# Altium PCB top_LM_v2.PcbDoc (part 4 of 5)
Units mil, origin at the board's own origin, x right, y up, seen from the top; angles counter-clockwise.
Board outline 13413.03 x 6200.01 mil, 2 copper layers (Top Layer, Bottom Layer); 718 components, 600 nets, 1834 pads, 540 vias.
Unrouted connection lines stored in the file: 144.
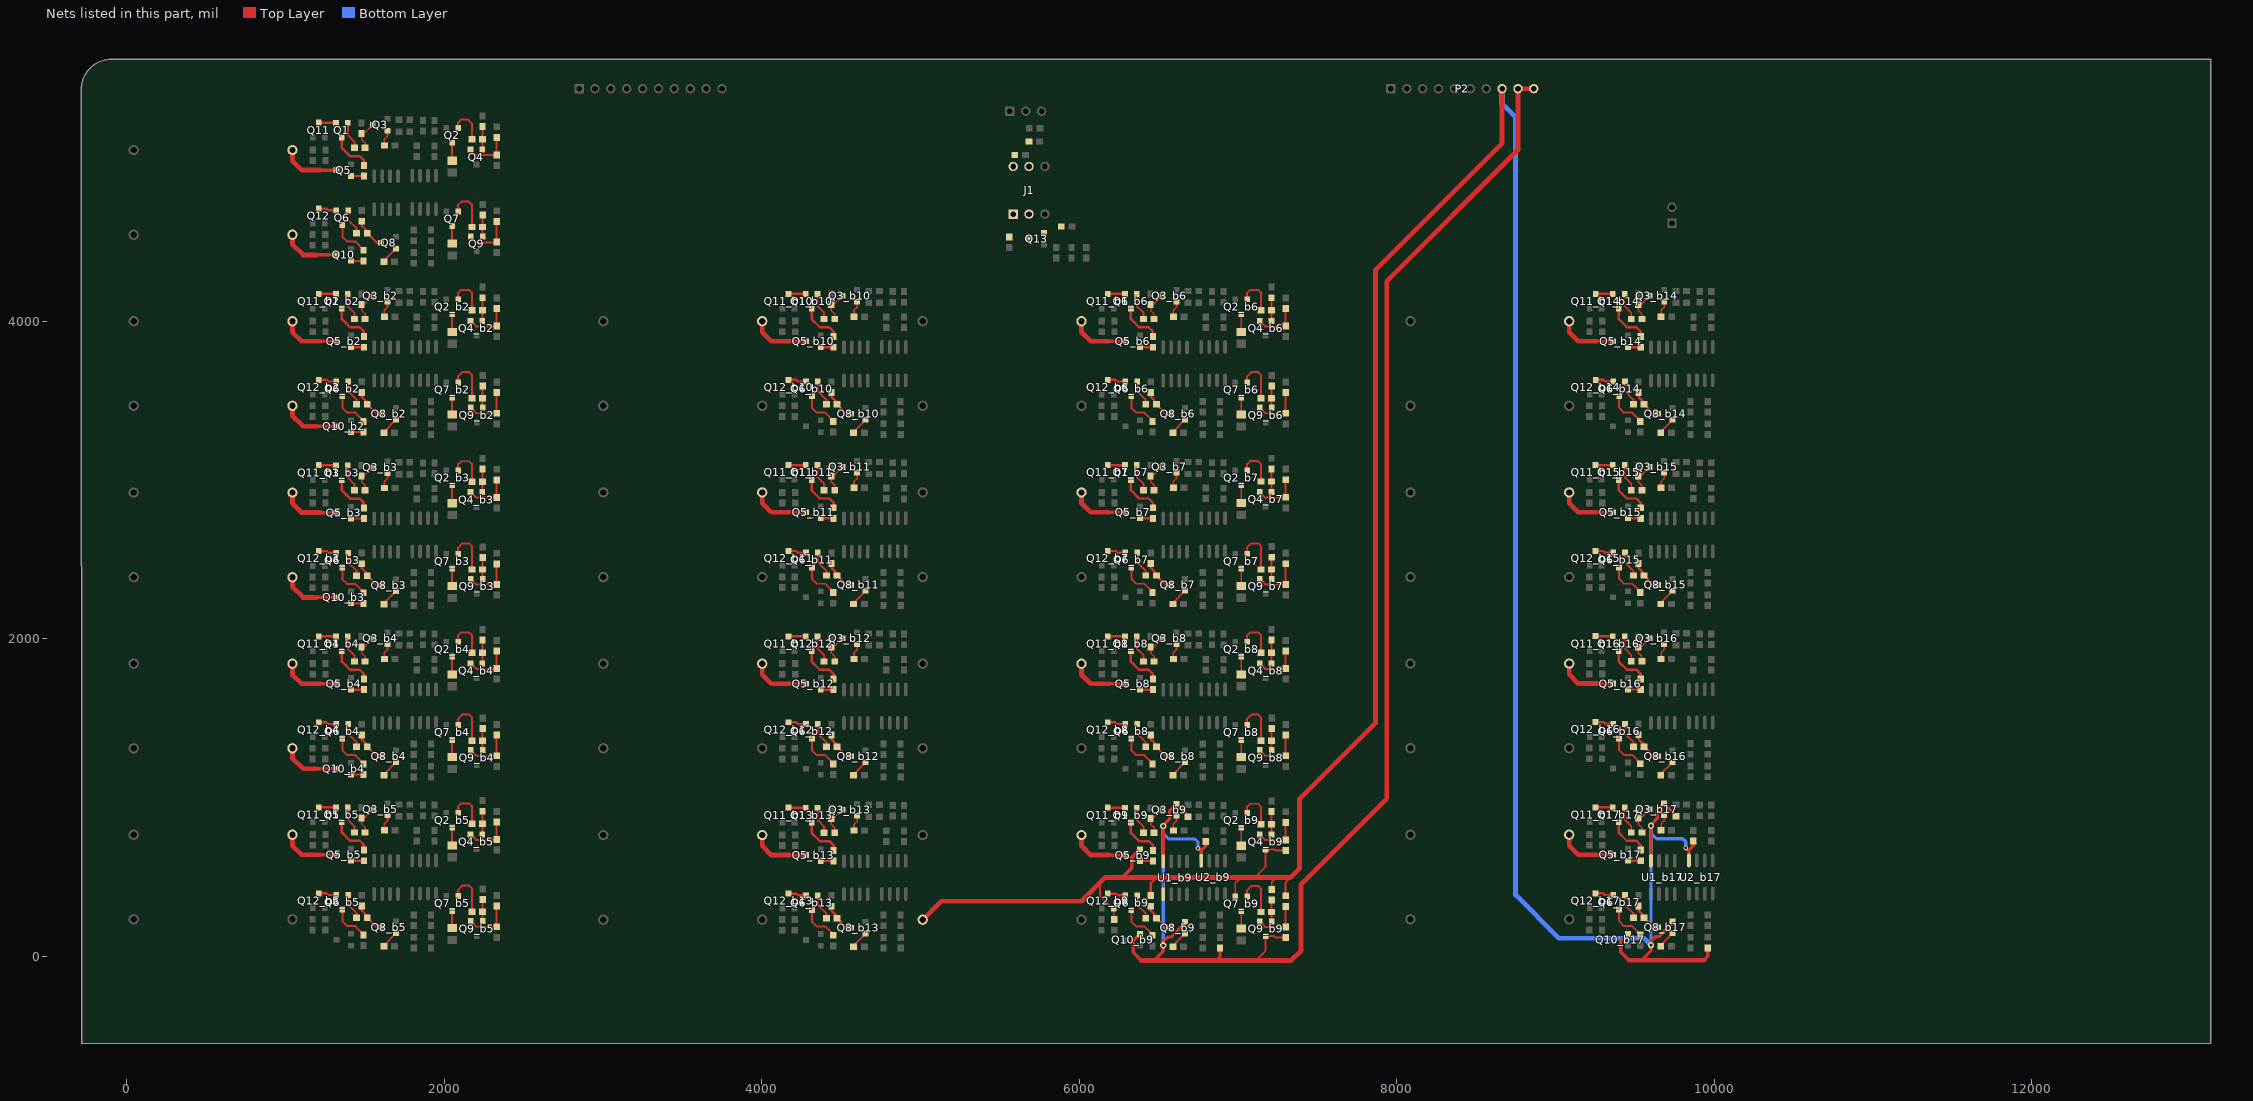
[diagram p4: the nets of this part, all layers, seen from the top]

## Via types
v1: diameter 20, hole 10, Top Layer to Bottom Layer, 453 vias
v2: diameter 40, hole 20, Top Layer to Bottom Layer, 51 vias
v3: diameter 30, hole 15, Top Layer to Bottom Layer, 34 vias
v4: diameter 125.98, hole 125.98, Top Layer to Bottom Layer, 2 vias

## Nets (pads, with @x,y where several pads share a name; then routed paths per layer and width w, separated by ;. In a path a pad name is that pad's centre, name@x,y a point inside that pad or via, vN(x,y) a via of type N, cw(c..) or ccw(c..) an arc to the next point about the centre after c; other vN are vias at no path point) (continued)
IN_B8: P2.8 Q3_b17.2 Q4_b9.3 Q5_b9.2 Q7_b9.2 Q8_b17.2 Q10_b17.2 Q12_b9.2 R12_b17.1 R13_b9.1 R14_b9.2 R19_b9.2 R20_b9.2 R21_b9.2 R42_b9.1 R44_b17.2 R48_b17.2 U1_b9.5 U1_b17.4 U2_b17.4 | length 18270.2
  Top Layer w12: 6130.25,461.04 6130.25,381.26 6209.51,302 Q12_b9.2@6217.65,302 6217.65,233.32 R42_b9.1@6220.25,230.72 ; U1_b9.5@6529.25,389.77 6529.25,474.54 6551.25,496.54 ; Q7_b9.2@6982.72,376.8 6982.72,460.13 7019.12,496.54 ; 7107.12,496.54 7173.12,562.54 Q4_b9.3@7173.12,673.28 7231.38,673.28 7238.58,666.07 R13_b9.1@7300.12,666.07 ; R20_b9.2@7212.25,421.46 7212.25,466.79 7242,496.54 ; R21_b9.2@7300.12,381 7300.12,465.54 7331.12,496.54
  Top Layer w15: R19_b9.2@6451.12,382 6451.12,461.54 6486.12,496.54 6490.12,496.54
  Top Layer w20: 9544.61,-21.93 9600.75,34.2 v2(9600.75,70.26) 9600.75,95.26 9627.75,122.26 9649.19,122.26 9737.01,210.08 Q8_b17.2@9737.01,219.66 ; 9564.61,-25.46 9565.54,-24.54 ; U1_b17.4@9600.75,600.75 v2(9600.75,822.26) 9600.75,828.26 9640.75,868.26 9640.75,919.4 Q3_b17.2@9684.01,962.66 9684.01,959.91 9757.28,886.64 R12_b17.1@9757.28,881.26 ; v3(9819.75,682.26) 9833.75,668.26 9839.75,668.26 ; U2_b17.4@9839.75,603.02 9839.75,668.26 ; R48_b17.2@9867.75,725.8 9867.75,696.26 9839.75,668.26 ; 9934.75,-24.54 9958.75,-0.54 R44_b17.2@9958.75,52.8
  Top Layer w22: 6272.12,496.54 6332.12,556.54 6332.12,623.68 Q5_b9.2@6383.38,674.94 ; Q10_b17.2@9454.87,141.94 9411.61,98.68 9411.61,26.54 9462.69,-24.54
  Top Layer w30: R14_b9.2@5014.25,230.26 5130.53,346.54 6014.25,346.54 6164.25,496.54 6272.12,496.54 6486.12,496.54 ; 6490.12,496.54 6551.25,496.54 7019.12,496.54 7107.12,496.54 7242,496.54 7331.12,496.54 7388,553.42 7388,992 7866.47,1470.47 7866.47,4322.53 8663,5119.05 P2.8@8663,5464 ; 9462.69,-24.54 9565.54,-24.54 9934.75,-24.54
  Bottom Layer w20: v2(9600.75,70.26) 9600.75,775.26 ; v2(9600.75,822.26) 9600.75,775.26 ; v3(9819.75,682.26) 9819.75,721.26 9800.75,740.26 9635.75,740.26 9600.75,775.26
  Bottom Layer w30: P2.8@8663,5464 8663,5368 8748,5283 8748,386 9021,113 9558.01,113 v2(9600.75,70.26)
IN_C8: P2.9 P2.10 Q3_b9.2 Q8_b9.2 Q9_b9.3 Q10_b9.2 Q13.2 R12_b9.1 R24_b9.1 R28.1 R44_b9.2 R48_b9.2 U1_b9.4 U2_b9.4 | length 9762.4
  Top Layer w12: 7114.5,-26.54 7174.12,33.08 Q9_b9.3@7174.12,126.28 7226.86,126.28 7236.06,117.07 R24_b9.1@7300.12,117.07
  Top Layer w20: 6473.12,-23.93 6529.25,32.2 v2(6529.25,68.26) 6529.25,93.26 6556.25,120.26 6577.69,120.26 6665.51,208.08 Q8_b9.2@6665.51,217.66 ; 6493.12,-27.46 6494.05,-26.54 ; U1_b9.4@6529.25,598.75 v2(6529.25,820.26) 6529.25,826.26 6569.25,866.26 6569.25,917.4 Q3_b9.2@6612.51,960.66 6612.51,957.91 6685.79,884.64 R12_b9.1@6685.79,879.26 ; v3(6748.25,680.26) 6762.25,666.26 6768.25,666.26 ; U2_b9.4@6768.25,601.02 6768.25,666.26 ; R48_b9.2@6796.25,723.8 6796.25,694.26 6768.25,666.26 ; 6863.25,-26.54 6887.25,-2.54 R44_b9.2@6887.25,50.8
  Top Layer w22: Q10_b9.2@6383.38,139.94 6340.12,96.68 6340.12,24.54 6391.19,-26.54
  Top Layer w30: 6391.19,-26.54 6494.05,-26.54 6863.25,-26.54 7114.5,-26.54 7336,-26.54 7397,34.46 7397,452 7937.19,992.19 7937.19,4251.81 8763,5077.63 P2.9@8763,5464 P2.10@8863,5464
  Bottom Layer w20: v2(6529.25,68.26) 6529.25,773.26 ; v2(6529.25,820.26) 6529.25,773.26 ; v3(6748.25,680.26) 6748.25,719.26 6729.25,738.26 6564.25,738.26 6529.25,773.26
NetD1_1: D1.1 Q2.3 | length 113.3
  Top Layer w12: D1.1@2050.87,5009.94 Q2.3@2050.87,5123.28
NetD1_b2_1: D1_b2.1 Q2_b2.3 | length 113.3
  Top Layer w12: D1_b2.1@2050.87,3931.94 Q2_b2.3@2050.87,4045.28
NetD1_b3_1: D1_b3.1 Q2_b3.3 | length 113.3
  Top Layer w12: D1_b3.1@2050.87,2852.94 Q2_b3.3@2050.87,2966.28
NetD1_b4_1: D1_b4.1 Q2_b4.3 | length 113.3
  Top Layer w12: D1_b4.1@2050.87,1774.94 Q2_b4.3@2050.87,1888.28
NetD1_b5_1: D1_b5.1 Q2_b5.3 | length 113.3
  Top Layer w12: D1_b5.1@2050.87,697.94 Q2_b5.3@2050.87,811.28
NetD1_b6_1: D1_b6.1 Q2_b6.3 | length 113.3
  Top Layer w12: D1_b6.1@7020.12,3931.94 Q2_b6.3@7020.12,4045.28
NetD1_b7_1: D1_b7.1 Q2_b7.3 | length 113.3
  Top Layer w12: D1_b7.1@7020.12,2853.94 Q2_b7.3@7020.12,2967.28
NetD1_b8_1: D1_b8.1 Q2_b8.3 | length 113.3
  Top Layer w12: D1_b8.1@7020.12,1774.94 Q2_b8.3@7020.12,1888.28
NetD1_b9_1: D1_b9.1 Q2_b9.3 | length 113.3
  Top Layer w12: D1_b9.1@7020.12,695.94 Q2_b9.3@7020.12,809.28
NetD1_b10_1: 
NetD1_b11_1: 
NetD1_b12_1: 
NetD1_b13_1: 
NetD1_b14_1: 
NetD1_b15_1: 
NetD1_b16_1: 
NetD1_b17_1: 
NetD2_1: D2.1 Q7.3 | length 109.3
  Top Layer w12: D2.1@2050.87,4488.94 Q7.3@2050.87,4598.28
NetD2_b2_1: D2_b2.1 Q7_b2.3 | length 109.3
  Top Layer w12: D2_b2.1@2050.87,3410.94 Q7_b2.3@2050.87,3520.28
NetD2_b3_1: D2_b3.1 Q7_b3.3 | length 109.3
  Top Layer w12: D2_b3.1@2050.87,2331.94 Q7_b3.3@2050.87,2441.28
NetD2_b4_1: D2_b4.1 Q7_b4.3 | length 109.3
  Top Layer w12: D2_b4.1@2050.87,1253.94 Q7_b4.3@2050.87,1363.28
NetD2_b5_1: D2_b5.1 Q7_b5.3 | length 109.3
  Top Layer w12: D2_b5.1@2050.87,176.94 Q7_b5.3@2050.87,286.28
NetD2_b6_1: D2_b6.1 Q7_b6.3 | length 109.3
  Top Layer w12: D2_b6.1@7020.12,3410.94 Q7_b6.3@7020.12,3520.28
NetD2_b7_1: D2_b7.1 Q7_b7.3 | length 109.3
  Top Layer w12: D2_b7.1@7020.12,2332.94 Q7_b7.3@7020.12,2442.28
NetD2_b8_1: D2_b8.1 Q7_b8.3 | length 109.3
  Top Layer w12: D2_b8.1@7020.12,1253.94 Q7_b8.3@7020.12,1363.28
NetD2_b9_1: D2_b9.1 Q7_b9.3 | length 109.3
  Top Layer w12: D2_b9.1@7020.12,174.94 Q7_b9.3@7020.12,284.28
NetD2_b10_1: 
NetD2_b11_1: 
NetD2_b12_1: 
NetD2_b13_1: 
NetD2_b14_1: 
NetD2_b15_1: 
NetD2_b16_1: 
NetD2_b17_1: 
NetJ1_1: J1.1 R25.2
NetJ1_2: J1.2 Q13.3
NetJ1_5: J1.5 R27.1
NetJ1_6: J1.6 R26.1
NetQ1_1: Q1.1 R35.2 | length 175.3
  Top Layer w12: Q1.1@1393.8,5249.26 1393.8,5172.46 1435.54,5130.72 R35.2@1435.54,5091.26
NetQ1_2: Q1.2 Q11.3 | length 107.7
  Top Layer w15: Q11.3@1211.26,5249.26 Q1.2@1319,5249.26
NetQ1_3: Q1.3 R11.2 | length 268.8
  Top Layer w15: Q1.3@1356.4,5156.74 1356.4,5090.46 1407.87,5039 1468.26,5039 1495,5012.26 R11.2@1495,4980.72
NetQ1_b2_1: Q1_b2.1 R35_b2.2 | length 175.3
  Top Layer w12: Q1_b2.1@1393.8,4171.26 1393.8,4094.46 1435.54,4052.72 R35_b2.2@1435.54,4013.26
NetQ1_b2_2: Q1_b2.2 Q11_b2.3 | length 107.7
  Top Layer w15: Q11_b2.3@1211.26,4171.26 Q1_b2.2@1319,4171.26
NetQ1_b2_3: Q1_b2.3 R11_b2.2 | length 268.8
  Top Layer w15: Q1_b2.3@1356.4,4078.74 1356.4,4012.46 1407.87,3961 1468.26,3961 1495,3934.26 R11_b2.2@1495,3902.72
NetQ1_b3_1: Q1_b3.1 R35_b3.2 | length 175.3
  Top Layer w12: Q1_b3.1@1393.8,3092.26 1393.8,3015.46 1435.54,2973.72 R35_b3.2@1435.54,2934.26
NetQ1_b3_2: Q1_b3.2 Q11_b3.3 | length 107.7
  Top Layer w15: Q11_b3.3@1211.26,3092.26 Q1_b3.2@1319,3092.26
NetQ1_b3_3: Q1_b3.3 R11_b3.2 | length 268.8
  Top Layer w15: Q1_b3.3@1356.4,2999.74 1356.4,2933.46 1407.87,2882 1468.26,2882 1495,2855.26 R11_b3.2@1495,2823.72
NetQ1_b4_1: Q1_b4.1 R35_b4.2 | length 175.3
  Top Layer w12: Q1_b4.1@1393.8,2014.26 1393.8,1937.46 1435.54,1895.72 R35_b4.2@1435.54,1856.26
NetQ1_b4_2: Q1_b4.2 Q11_b4.3 | length 107.7
  Top Layer w15: Q11_b4.3@1211.26,2014.26 Q1_b4.2@1319,2014.26
NetQ1_b4_3: Q1_b4.3 R11_b4.2 | length 268.8
  Top Layer w15: Q1_b4.3@1356.4,1921.74 1356.4,1855.46 1407.87,1804 1468.26,1804 1495,1777.26 R11_b4.2@1495,1745.72
NetQ1_b5_1: Q1_b5.1 R35_b5.2 | length 175.3
  Top Layer w12: Q1_b5.1@1393.8,937.26 1393.8,860.46 1435.54,818.72 R35_b5.2@1435.54,779.26
NetQ1_b5_2: Q1_b5.2 Q11_b5.3 | length 107.7
  Top Layer w15: Q11_b5.3@1211.26,937.26 Q1_b5.2@1319,937.26
NetQ1_b5_3: Q1_b5.3 R11_b5.2 | length 268.8
  Top Layer w15: Q1_b5.3@1356.4,844.74 1356.4,778.46 1407.87,727 1468.26,727 1495,700.26 R11_b5.2@1495,668.72
NetQ1_b6_1: Q1_b6.1 R35_b6.2 | length 175.3
  Top Layer w12: Q1_b6.1@6363.06,4171.26 6363.06,4094.46 6404.79,4052.72 R35_b6.2@6404.79,4013.26
NetQ1_b6_2: Q1_b6.2 Q11_b6.3 | length 107.7
  Top Layer w15: Q11_b6.3@6180.51,4171.26 Q1_b6.2@6288.25,4171.26
NetQ1_b6_3: Q1_b6.3 R11_b6.2 | length 268.8
  Top Layer w15: Q1_b6.3@6325.65,4078.74 6325.65,4012.46 6377.12,3961 6437.51,3961 6464.25,3934.26 R11_b6.2@6464.25,3902.72
NetQ1_b7_1: Q1_b7.1 R35_b7.2 | length 175.3
  Top Layer w12: Q1_b7.1@6363.06,3093.26 6363.06,3016.46 6404.79,2974.72 R35_b7.2@6404.79,2935.26
NetQ1_b7_2: Q1_b7.2 Q11_b7.3 | length 107.7
  Top Layer w15: Q11_b7.3@6180.51,3093.26 Q1_b7.2@6288.25,3093.26
NetQ1_b7_3: Q1_b7.3 R11_b7.2 | length 268.8
  Top Layer w15: Q1_b7.3@6325.65,3000.74 6325.65,2934.46 6377.12,2883 6437.51,2883 6464.25,2856.26 R11_b7.2@6464.25,2824.72
NetQ1_b8_1: Q1_b8.1 R35_b8.2 | length 175.3
  Top Layer w12: Q1_b8.1@6363.06,2014.26 6363.06,1937.46 6404.79,1895.72 R35_b8.2@6404.79,1856.26
NetQ1_b8_2: Q1_b8.2 Q11_b8.3 | length 107.7
  Top Layer w15: Q11_b8.3@6180.51,2014.26 Q1_b8.2@6288.25,2014.26
NetQ1_b8_3: Q1_b8.3 R11_b8.2 | length 268.8
  Top Layer w15: Q1_b8.3@6325.65,1921.74 6325.65,1855.46 6377.12,1804 6437.51,1804 6464.25,1777.26 R11_b8.2@6464.25,1745.72
NetQ1_b9_1: Q1_b9.1 R35_b9.2 | length 175.3
  Top Layer w12: Q1_b9.1@6363.06,935.26 6363.06,858.46 6404.79,816.72 R35_b9.2@6404.79,777.26
NetQ1_b9_2: Q1_b9.2 Q11_b9.3 | length 107.7
  Top Layer w15: Q11_b9.3@6180.51,935.26 Q1_b9.2@6288.25,935.26
NetQ1_b9_3: Q1_b9.3 R11_b9.2 | length 268.8
  Top Layer w15: Q1_b9.3@6325.65,842.74 6325.65,776.46 6377.12,725 6437.51,725 6464.25,698.26 R11_b9.2@6464.25,666.72
NetQ1_b10_1: Q1_b10.1 R35_b10.2 | length 175.3
  Top Layer w12: Q1_b10.1@4351.8,4171.26 4351.8,4094.46 4393.54,4052.72 R35_b10.2@4393.54,4013.26
NetQ1_b10_2: Q1_b10.2 Q11_b10.3 | length 107.7
  Top Layer w15: Q11_b10.3@4169.26,4171.26 Q1_b10.2@4277,4171.26
NetQ1_b10_3: Q1_b10.3 R11_b10.2 | length 268.8
  Top Layer w15: Q1_b10.3@4314.4,4078.74 4314.4,4012.46 4365.87,3961 4426.26,3961 4453,3934.26 R11_b10.2@4453,3902.72
NetQ1_b11_1: Q1_b11.1 R35_b11.2 | length 175.3
  Top Layer w12: Q1_b11.1@4351.8,3093.26 4351.8,3016.46 4393.54,2974.72 R35_b11.2@4393.54,2935.26
NetQ1_b11_2: Q1_b11.2 Q11_b11.3 | length 107.7
  Top Layer w15: Q11_b11.3@4169.26,3093.26 Q1_b11.2@4277,3093.26
NetQ1_b11_3: Q1_b11.3 R11_b11.2 | length 268.8
  Top Layer w15: Q1_b11.3@4314.4,3000.74 4314.4,2934.46 4365.87,2883 4426.26,2883 4453,2856.26 R11_b11.2@4453,2824.72
NetQ1_b12_1: Q1_b12.1 R35_b12.2 | length 175.3
  Top Layer w12: Q1_b12.1@4351.8,2014.26 4351.8,1937.46 4393.54,1895.72 R35_b12.2@4393.54,1856.26
NetQ1_b12_2: Q1_b12.2 Q11_b12.3 | length 107.7
  Top Layer w15: Q11_b12.3@4169.26,2014.26 Q1_b12.2@4277,2014.26
NetQ1_b12_3: Q1_b12.3 R11_b12.2 | length 268.8
  Top Layer w15: Q1_b12.3@4314.4,1921.74 4314.4,1855.46 4365.87,1804 4426.26,1804 4453,1777.26 R11_b12.2@4453,1745.72
NetQ1_b13_1: Q1_b13.1 R35_b13.2 | length 175.3
  Top Layer w12: Q1_b13.1@4351.8,935.26 4351.8,858.46 4393.54,816.72 R35_b13.2@4393.54,777.26
NetQ1_b13_2: Q1_b13.2 Q11_b13.3 | length 107.7
  Top Layer w15: Q11_b13.3@4169.26,935.26 Q1_b13.2@4277,935.26
NetQ1_b13_3: Q1_b13.3 R11_b13.2 | length 268.8
  Top Layer w15: Q1_b13.3@4314.4,842.74 4314.4,776.46 4365.87,725 4426.26,725 4453,698.26 R11_b13.2@4453,666.72
NetQ1_b14_1: Q1_b14.1 R35_b14.2 | length 175.3
  Top Layer w12: Q1_b14.1@9434.8,4171.26 9434.8,4094.46 9476.54,4052.72 R35_b14.2@9476.54,4013.26
NetQ1_b14_2: Q1_b14.2 Q11_b14.3 | length 107.7
  Top Layer w15: Q11_b14.3@9252.26,4171.26 Q1_b14.2@9360,4171.26
NetQ1_b14_3: Q1_b14.3 R11_b14.2 | length 268.8
  Top Layer w15: Q1_b14.3@9397.4,4078.74 9397.4,4012.46 9448.87,3961 9509.26,3961 9536,3934.26 R11_b14.2@9536,3902.72
NetQ1_b15_1: Q1_b15.1 R35_b15.2 | length 175.3
  Top Layer w12: Q1_b15.1@9434.55,3093.26 9434.55,3016.46 9476.28,2974.72 R35_b15.2@9476.28,2935.26
NetQ1_b15_2: Q1_b15.2 Q11_b15.3 | length 107.7
  Top Layer w15: Q11_b15.3@9252.01,3093.26 Q1_b15.2@9359.75,3093.26
NetQ1_b15_3: Q1_b15.3 R11_b15.2 | length 268.8
  Top Layer w15: Q1_b15.3@9397.15,3000.74 9397.15,2934.46 9448.61,2883 9509.01,2883 9535.75,2856.26 R11_b15.2@9535.75,2824.72
NetQ1_b16_1: Q1_b16.1 R35_b16.2 | length 175.3
  Top Layer w12: Q1_b16.1@9434.55,2015.26 9434.55,1938.46 9476.28,1896.72 R35_b16.2@9476.28,1857.26
NetQ1_b16_2: Q1_b16.2 Q11_b16.3 | length 107.7
  Top Layer w15: Q11_b16.3@9252.01,2015.26 Q1_b16.2@9359.75,2015.26
NetQ1_b16_3: Q1_b16.3 R11_b16.2 | length 268.8
  Top Layer w15: Q1_b16.3@9397.15,1922.74 9397.15,1856.46 9448.61,1805 9509.01,1805 9535.75,1778.26 R11_b16.2@9535.75,1746.72
NetQ1_b17_1: Q1_b17.1 R35_b17.2 | length 175.3
  Top Layer w12: Q1_b17.1@9434.55,937.26 9434.55,860.46 9476.28,818.72 R35_b17.2@9476.28,779.26
NetQ1_b17_2: Q1_b17.2 Q11_b17.3 | length 107.7
  Top Layer w15: Q11_b17.3@9252.01,937.26 Q1_b17.2@9359.75,937.26
NetQ1_b17_3: Q1_b17.3 R11_b17.2 | length 268.8
  Top Layer w15: Q1_b17.3@9397.15,844.74 9397.15,778.46 9448.61,727 9509.01,727 9535.75,700.26 R11_b17.2@9535.75,668.72
NetQ2_1: Q2.1 R32.2 | length 237.4
  Top Layer w12: Q2.1@2088.27,5215.8 2088.27,5250.27 2108,5270 2148,5270 2174.54,5243.46 R32.2@2174.54,5146
NetQ2_b2_1: Q2_b2.1 R32_b2.2 | length 252.4
  Top Layer w12: Q2_b2.1@2088.27,4137.8 2088.27,4177.94 2106.87,4196.54 2157.87,4196.54 2175.4,4179 R32_b2.2@2175.4,4068.87
NetQ2_b3_1: Q2_b3.1 R32_b3.2 | length 252.4
  Top Layer w12: Q2_b3.1@2088.27,3058.8 2088.27,3098.94 2106.87,3117.54 2157.87,3117.54 2175.4,3100 R32_b3.2@2175.4,2989.87
NetQ2_b4_1: Q2_b4.1 R32_b4.2 | length 252.4
  Top Layer w12: Q2_b4.1@2088.27,1980.8 2088.27,2020.94 2106.87,2039.54 2157.87,2039.54 2175.4,2022 R32_b4.2@2175.4,1911.87
NetQ2_b5_1: Q2_b5.1 R32_b5.2 | length 252.4
  Top Layer w12: Q2_b5.1@2088.27,903.8 2088.27,943.94 2106.87,962.54 2157.87,962.54 2175.4,945 R32_b5.2@2175.4,834.87
NetQ2_b6_1: Q2_b6.1 R32_b6.2 | length 252.4
  Top Layer w12: Q2_b6.1@7057.52,4137.8 7057.52,4177.94 7076.12,4196.54 7127.12,4196.54 7144.65,4179 R32_b6.2@7144.65,4068.87
NetQ2_b7_1: Q2_b7.1 R32_b7.2 | length 252.4
  Top Layer w12: Q2_b7.1@7057.52,3059.8 7057.52,3099.94 7076.12,3118.54 7127.12,3118.54 7144.65,3101 R32_b7.2@7144.65,2990.87
NetQ2_b8_1: Q2_b8.1 R32_b8.2 | length 252.4
  Top Layer w12: Q2_b8.1@7057.52,1980.8 7057.52,2020.94 7076.12,2039.54 7127.12,2039.54 7144.65,2022 R32_b8.2@7144.65,1911.87
NetQ2_b9_1: Q2_b9.1 R32_b9.2 | length 252.4
  Top Layer w12: Q2_b9.1@7057.52,901.8 7057.52,941.94 7076.12,960.54 7127.12,960.54 7144.65,943 R32_b9.2@7144.65,832.87
NetQ2_b10_1: 
NetQ2_b11_1: 
NetQ2_b12_1: 
NetQ2_b13_1: 
NetQ2_b14_1: 
NetQ2_b15_1: 
NetQ2_b16_1: 
NetQ2_b17_1: 
NetQ3_1: Q3.1 R10.1 | length 101.8
  Top Layer w10: R10.1@1623.54,5106.26 1623.54,5145.8 1643.26,5165.52 Q3.1@1643.26,5199.86
NetQ3_3: Q3.3 R6.1 R35.1 | length 193.4
  Top Layer w10: R6.1@1479.87,5181.54 R6.1@1480.27,5181.54 ; R35.1@1502.46,5091.26 1502.46,5122.8 1480.27,5144.99 R6.1@1480.27,5181.54 ; Q3.3@1550.74,5237.26 1495.02,5181.54 R6.1@1480.27,5181.54
NetQ3_b2_1: Q3_b2.1 R10_b2.1 | length 101.8
  Top Layer w10: R10_b2.1@1623.54,4028.26 1623.54,4067.8 1643.26,4087.52 Q3_b2.1@1643.26,4121.86
NetQ3_b2_3: Q3_b2.3 R6_b2.1 R35_b2.1 | length 193.4
  Top Layer w10: R6_b2.1@1479.87,4103.54 R6_b2.1@1480.27,4103.54 ; R35_b2.1@1502.46,4013.26 1502.46,4044.8 1480.27,4066.99 R6_b2.1@1480.27,4103.54 ; Q3_b2.3@1550.74,4159.26 1495.02,4103.54 R6_b2.1@1480.27,4103.54
NetQ3_b3_1: Q3_b3.1 R10_b3.1 | length 101.8
  Top Layer w10: R10_b3.1@1623.54,2949.26 1623.54,2988.8 1643.26,3008.52 Q3_b3.1@1643.26,3042.86
NetQ3_b3_3: Q3_b3.3 R6_b3.1 R35_b3.1 | length 193.4
  Top Layer w10: R6_b3.1@1479.87,3024.54 R6_b3.1@1480.27,3024.54 ; R35_b3.1@1502.46,2934.26 1502.46,2965.8 1480.27,2987.99 R6_b3.1@1480.27,3024.54 ; Q3_b3.3@1550.74,3080.26 1495.02,3024.54 R6_b3.1@1480.27,3024.54
NetQ3_b4_1: Q3_b4.1 R10_b4.1 | length 101.8
  Top Layer w10: R10_b4.1@1623.54,1871.26 1623.54,1910.8 1643.26,1930.52 Q3_b4.1@1643.26,1964.86
NetQ3_b4_3: Q3_b4.3 R6_b4.1 R35_b4.1 | length 193.4
  Top Layer w10: R6_b4.1@1479.87,1946.54 R6_b4.1@1480.27,1946.54 ; R35_b4.1@1502.46,1856.26 1502.46,1887.8 1480.27,1909.99 R6_b4.1@1480.27,1946.54 ; Q3_b4.3@1550.74,2002.26 1495.02,1946.54 R6_b4.1@1480.27,1946.54
NetQ3_b5_1: Q3_b5.1 R10_b5.1 | length 101.8
  Top Layer w10: R10_b5.1@1623.54,794.26 1623.54,833.8 1643.26,853.52 Q3_b5.1@1643.26,887.86
NetQ3_b5_3: Q3_b5.3 R6_b5.1 R35_b5.1 | length 193.4
  Top Layer w10: R6_b5.1@1479.87,869.54 R6_b5.1@1480.27,869.54 ; R35_b5.1@1502.46,779.26 1502.46,810.8 1480.27,832.99 R6_b5.1@1480.27,869.54 ; Q3_b5.3@1550.74,925.26 1495.02,869.54 R6_b5.1@1480.27,869.54
NetQ3_b6_1: Q3_b6.1 R10_b6.1 | length 101.8
  Top Layer w10: R10_b6.1@6592.79,4028.26 6592.79,4067.8 6612.51,4087.52 Q3_b6.1@6612.51,4121.86
NetQ3_b6_3: Q3_b6.3 R6_b6.1 R35_b6.1 | length 193.4
  Top Layer w10: R6_b6.1@6449.12,4103.54 R6_b6.1@6449.52,4103.54 ; R35_b6.1@6471.72,4013.26 6471.72,4044.8 6449.52,4066.99 R6_b6.1@6449.52,4103.54 ; Q3_b6.3@6519.99,4159.26 6464.27,4103.54 R6_b6.1@6449.52,4103.54
NetQ3_b7_1: Q3_b7.1 R10_b7.1 | length 101.8
  Top Layer w10: R10_b7.1@6592.79,2950.26 6592.79,2989.8 6612.51,3009.52 Q3_b7.1@6612.51,3043.86
NetQ3_b7_3: Q3_b7.3 R6_b7.1 R35_b7.1 | length 193.4
  Top Layer w10: R6_b7.1@6449.12,3025.54 R6_b7.1@6449.52,3025.54 ; R35_b7.1@6471.72,2935.26 6471.72,2966.8 6449.52,2988.99 R6_b7.1@6449.52,3025.54 ; Q3_b7.3@6519.99,3081.26 6464.27,3025.54 R6_b7.1@6449.52,3025.54
NetQ3_b8_1: Q3_b8.1 R10_b8.1 | length 101.8
  Top Layer w10: R10_b8.1@6592.79,1871.26 6592.79,1910.8 6612.51,1930.52 Q3_b8.1@6612.51,1964.86
NetQ3_b8_3: Q3_b8.3 R6_b8.1 R35_b8.1 | length 193.4
  Top Layer w10: R6_b8.1@6449.12,1946.54 R6_b8.1@6449.52,1946.54 ; R35_b8.1@6471.72,1856.26 6471.72,1887.8 6449.52,1909.99 R6_b8.1@6449.52,1946.54 ; Q3_b8.3@6519.99,2002.26 6464.27,1946.54 R6_b8.1@6449.52,1946.54
NetQ3_b9_1: Q3_b9.1 R10_b9.1 | length 101.8
  Top Layer w10: R10_b9.1@6592.79,792.26 6592.79,831.8 6612.51,851.52 Q3_b9.1@6612.51,885.86
NetQ3_b9_3: Q3_b9.3 R6_b9.1 R35_b9.1 | length 193.4
  Top Layer w10: R6_b9.1@6449.12,867.54 R6_b9.1@6449.52,867.54 ; R35_b9.1@6471.72,777.26 6471.72,808.8 6449.52,830.99 R6_b9.1@6449.52,867.54 ; Q3_b9.3@6519.99,923.26 6464.27,867.54 R6_b9.1@6449.52,867.54
NetQ3_b10_1: Q3_b10.1 R10_b10.1 | length 101.8
  Top Layer w10: R10_b10.1@4581.54,4028.26 4581.54,4067.8 4601.26,4087.52 Q3_b10.1@4601.26,4121.86
NetQ3_b10_3: Q3_b10.3 R6_b10.1 R35_b10.1 | length 193.4
  Top Layer w10: R6_b10.1@4437.87,4103.54 R6_b10.1@4438.27,4103.54 ; R35_b10.1@4460.46,4013.26 4460.46,4044.8 4438.27,4066.99 R6_b10.1@4438.27,4103.54 ; Q3_b10.3@4508.74,4159.26 4453.02,4103.54 R6_b10.1@4438.27,4103.54
NetQ3_b11_1: Q3_b11.1 R10_b11.1 | length 101.8
  Top Layer w10: R10_b11.1@4581.54,2950.26 4581.54,2989.8 4601.26,3009.52 Q3_b11.1@4601.26,3043.86
NetQ3_b11_3: Q3_b11.3 R6_b11.1 R35_b11.1 | length 193.4
  Top Layer w10: R6_b11.1@4437.87,3025.54 R6_b11.1@4438.27,3025.54 ; R35_b11.1@4460.46,2935.26 4460.46,2966.8 4438.27,2988.99 R6_b11.1@4438.27,3025.54 ; Q3_b11.3@4508.74,3081.26 4453.02,3025.54 R6_b11.1@4438.27,3025.54
NetQ3_b12_1: Q3_b12.1 R10_b12.1 | length 101.8
  Top Layer w10: R10_b12.1@4581.54,1871.26 4581.54,1910.8 4601.26,1930.52 Q3_b12.1@4601.26,1964.86
NetQ3_b12_3: Q3_b12.3 R6_b12.1 R35_b12.1 | length 193.4
  Top Layer w10: R6_b12.1@4437.87,1946.54 R6_b12.1@4438.27,1946.54 ; R35_b12.1@4460.46,1856.26 4460.46,1887.8 4438.27,1909.99 R6_b12.1@4438.27,1946.54 ; Q3_b12.3@4508.74,2002.26 4453.02,1946.54 R6_b12.1@4438.27,1946.54
NetQ3_b13_1: Q3_b13.1 R10_b13.1 | length 101.8
  Top Layer w10: R10_b13.1@4581.54,792.26 4581.54,831.8 4601.26,851.52 Q3_b13.1@4601.26,885.86
NetQ3_b13_3: Q3_b13.3 R6_b13.1 R35_b13.1 | length 193.4
  Top Layer w10: R6_b13.1@4437.87,867.54 R6_b13.1@4438.27,867.54 ; R35_b13.1@4460.46,777.26 4460.46,808.8 4438.27,830.99 R6_b13.1@4438.27,867.54 ; Q3_b13.3@4508.74,923.26 4453.02,867.54 R6_b13.1@4438.27,867.54
NetQ3_b14_1: Q3_b14.1 R10_b14.1 | length 101.8
  Top Layer w10: R10_b14.1@9664.54,4028.26 9664.54,4067.8 9684.26,4087.52 Q3_b14.1@9684.26,4121.86
NetQ3_b14_3: Q3_b14.3 R6_b14.1 R35_b14.1 | length 193.4
  Top Layer w10: R6_b14.1@9520.87,4103.54 R6_b14.1@9521.27,4103.54 ; R35_b14.1@9543.46,4013.26 9543.46,4044.8 9521.27,4066.99 R6_b14.1@9521.27,4103.54 ; Q3_b14.3@9591.74,4159.26 9536.02,4103.54 R6_b14.1@9521.27,4103.54
NetQ3_b15_1: Q3_b15.1 R10_b15.1 | length 101.8
  Top Layer w10: R10_b15.1@9664.28,2950.26 9664.28,2989.8 9684.01,3009.52 Q3_b15.1@9684.01,3043.86
NetQ3_b15_3: Q3_b15.3 R6_b15.1 R35_b15.1 | length 193.4
  Top Layer w10: R6_b15.1@9520.61,3025.54 R6_b15.1@9521.02,3025.54 ; R35_b15.1@9543.21,2935.26 9543.21,2966.8 9521.02,2988.99 R6_b15.1@9521.02,3025.54 ; Q3_b15.3@9591.49,3081.26 9535.76,3025.54 R6_b15.1@9521.02,3025.54
NetQ3_b16_1: Q3_b16.1 R10_b16.1 | length 101.8
  Top Layer w10: R10_b16.1@9664.28,1872.26 9664.28,1911.8 9684.01,1931.52 Q3_b16.1@9684.01,1965.86
NetQ3_b16_3: Q3_b16.3 R6_b16.1 R35_b16.1 | length 193.4
  Top Layer w10: R6_b16.1@9520.61,1947.54 R6_b16.1@9521.02,1947.54 ; R35_b16.1@9543.21,1857.26 9543.21,1888.8 9521.02,1910.99 R6_b16.1@9521.02,1947.54 ; Q3_b16.3@9591.49,2003.26 9535.76,1947.54 R6_b16.1@9521.02,1947.54
NetQ3_b17_1: Q3_b17.1 R10_b17.1 | length 101.8
  Top Layer w10: R10_b17.1@9664.28,794.26 9664.28,833.8 9684.01,853.52 Q3_b17.1@9684.01,887.86
NetQ3_b17_3: Q3_b17.3 R6_b17.1 R35_b17.1 | length 193.4
  Top Layer w10: R6_b17.1@9520.61,869.54 R6_b17.1@9521.02,869.54 ; R35_b17.1@9543.21,779.26 9543.21,810.8 9521.02,832.99 R6_b17.1@9521.02,869.54 ; Q3_b17.3@9591.49,925.26 9535.76,869.54 R6_b17.1@9521.02,869.54